# Altium PCB Analog_Daughter_6U_MAX11331.PcbDoc (part 2 of 6) (continued)
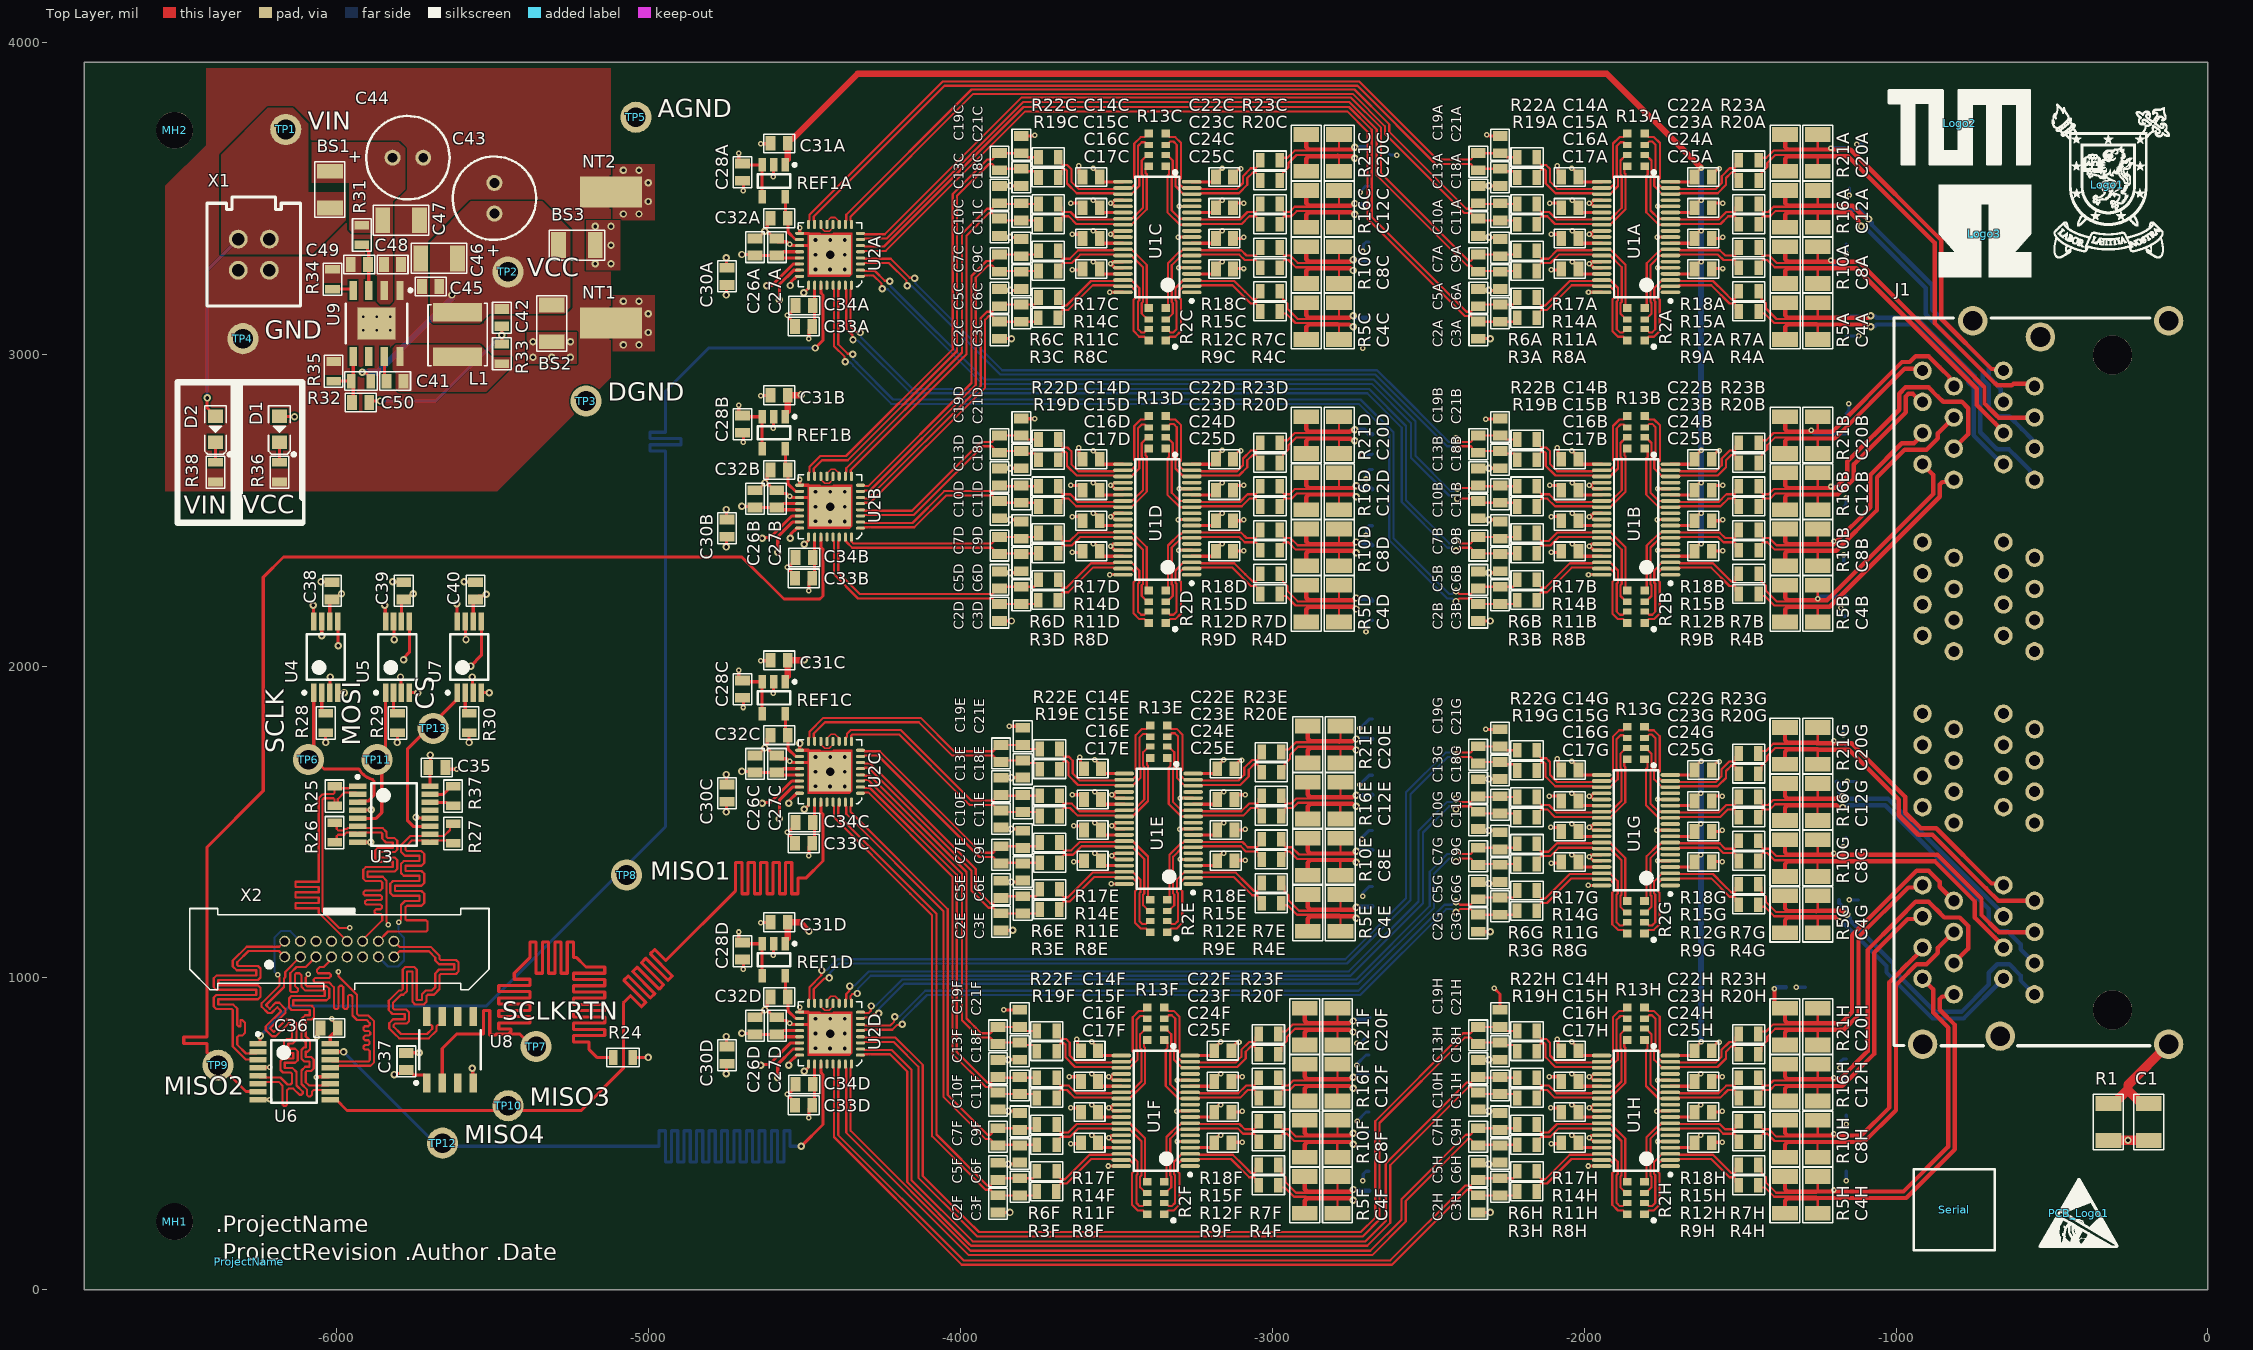
[diagram p0: Top Layer view]
## Part data (continued)
U6: library part ADN4665, "3V, LVDS, Quad, CMOS Differential Line Driver", MPN=ADN4665ARUZ, Supplier Part Number 1=ADN4665ARUZ-ND, Created=2020_05_Kreppel, MF="Analog Devices", Supplier 1=Digikey
U8: library part ADN4661, "Single, 3V, CMOS, LVDS High Speed differential driver", MPN=ADN4661BRZ, Supplier Part Number 1=ADN4661BRZ-ND, Created=2020_05_Kreppel, MF="Analog Devices", Supplier 1=Digikey
U9: library part LM5163, "100V Input, 0.5A Synchronous Buck DC/DC Converter with Ultra-low Iq", MPN=LM5163DDAR, Supplier Part Number 1=296-LM5163DDARCT-ND, Created=2020_05_Kreppel, MF="Texas Instruments", Supplier 1=Digikey
X1: library part IPL1-102-XX-X-D-X, "2.54mm Double Row Terminal Assembly, Right-Angled", Manufacturer=SAMTEC, Supplier Part Number 1=SAM10565-ND, Created=2018_05_02_AGeiger, MF=Samtec, MPN=IPL1-102-01-L-D-K, Supplier 1=Digikey
X2: library part EHF-108-01-F-D, "Dual Row, 2x8 Shrouded IDC Header with Ejectors 50 mil pitch", Supplier Part Number 1=SAM9265-ND, Created=2020_05_Kreppel, MF=Samtec, MPN=EHF-108-01-F-D, Supplier 1=Digikey
Serial: Created=2018_09_18_AGeiger

## Via types
v1: diameter 17.72, hole 7.87, Top Layer to Bottom Layer, tented both sides, 279 vias
v2: diameter 23.62, hole 11.81, Top Layer to Bottom Layer, tented both sides, 205 vias
v3: diameter 27.56, hole 11.81, Top Layer to Bottom Layer, tented bottom, 32 vias
v4: diameter 19.68, hole 7.87, Top Layer to Bottom Layer, tented both sides, 6 vias
v5: diameter 51.18, hole 27.56, Top Layer to Bottom Layer, tented both sides, 4 vias

## Nets (pads, with @x,y where several pads share a name; then routed paths per layer and width w, separated by ;. In a path a pad name is that pad's centre, name@x,y a point inside that pad or via, vN(x,y) a via of type N, cw(c..) or ccw(c..) an arc to the next point about the centre after c; other vN are vias at no path point)
ADC_IN1A_N: C18A.2 C19A.1 R19A.1 U2A.15 | length 2590.4
  Top Layer w7: U2A.15@-4468.08,3416.34 -4468.08,3426.95 -4470.92,3429.79 -4470.92,3441.6 -4051.52,3861 -2727.42,3861 -2476.86,3610.44 -2364.03,3610.44 -2359.93,3606.34 -2359.93,3602.13 -2347.68,3589.88 C19A.1@-2339.81,3589.88 -2334.77,3594.92 C18A.2@-2269.81,3594.92 -2262.06,3587.17 -2225.09,3587.17 -2214.81,3576.89 R19A.1@-2214.81,3567.05
ADC_IN1A_P: C19A.2 C21A.1 R22A.1 U2A.16 | length 2599.6
  Top Layer w7: U2A.16@-4487.76,3416.34 -4487.76,3426.95 -4484.92,3429.79 -4484.92,3447.4 -4057.32,3875 -2721.62,3875 -2471.07,3624.44 -2364.03,3624.44 -2359.93,3628.54 -2359.93,3632.75 -2347.68,3645 C19A.2@-2339.81,3645 -2339.38,3644.57 C21A.1@-2269.81,3644.57 -2261.94,3644.57 -2249.42,3632.05 R22A.1@-2214.81,3632.05
ADC_IN1B_N: C18B.2 C19B.1 R19B.1 U2A.3 | length 2397.7
  Top Layer w7: U2A.3@-4321.42,3289.37 -4310.81,3289.37 -4307.97,3292.21 -4229.76,3292.21 -4173.26,3235.71 -4173.26,3221.84 v2(-4171.42,3220) ; v2(-2411.42,2695.12) -2408.82,2695.12 -2399.01,2704.93 -2364.03,2704.93 -2359.93,2700.83 -2359.93,2696.62 -2347.68,2684.37 C19B.1@-2339.81,2684.37 -2334.77,2689.41 C18B.2@-2269.81,2689.41 -2262.06,2681.66 -2225.09,2681.66 -2214.81,2671.38 R19B.1@-2214.81,2661.54
  Bottom Layer w7: v2(-4171.42,3220) -4169.58,3218.16 -4155.71,3218.16 -3872.55,2935 -2670.42,2935 -2440.35,2704.93 -2423.83,2704.93 -2414.02,2695.12 v2(-2411.42,2695.12)
ADC_IN1B_P: C19B.2 C21B.1 R22B.1 U2A.4 | length 2383.7
  Top Layer w7: U2A.4@-4321.42,3309.06 -4310.81,3309.06 -4307.97,3306.21 -4223.96,3306.21 -4163.36,3245.61 -4149.49,3245.61 v2(-4147.65,3243.77) ; v2(-2411.42,2728.74) -2408.82,2728.74 -2399.01,2718.93 -2364.03,2718.93 -2359.93,2723.03 -2359.93,2727.24 -2347.68,2739.49 C19B.2@-2339.81,2739.49 -2339.38,2739.06 C21B.1@-2269.81,2739.06 -2261.94,2739.06 -2249.42,2726.54 R22B.1@-2214.81,2726.54
  Bottom Layer w7: v2(-4147.65,3243.77) -4145.81,3241.94 -4145.81,3228.06 -3866.75,2949 -2664.62,2949 -2631.47,2915.85 -2626.52,2910.9 -2434.55,2718.93 -2423.83,2718.93 -2414.02,2728.74 v2(-2411.42,2728.74)
ADC_IN1C_N: C18C.2 C19C.1 R19C.1 U2B.15 | length 1473.6
  Top Layer w7: U2B.15@-4468.08,2608.54 -4468.08,2619.16 -4470.92,2622 -4470.92,2633.81 -4444.73,2660 -4361.62,2660 -4011.42,3010.2 -4011.42,3507.92 -3908.9,3610.44 -3899.47,3610.44 -3895.36,3606.34 -3895.36,3602.13 -3883.12,3589.88 C19C.1@-3875.24,3589.88 -3870.2,3594.92 C18C.2@-3805.24,3594.92 -3797.49,3587.17 -3760.52,3587.17 -3750.24,3576.89 R19C.1@-3750.24,3567.05
ADC_IN1C_P: C19C.2 C21C.1 R22C.1 U2B.16 | length 1482.8
  Top Layer w7: U2B.16@-4487.76,2608.54 -4487.76,2619.16 -4484.92,2622 -4484.92,2639.61 -4450.53,2674 -4367.42,2674 -4025.42,3016 -4025.42,3513.72 -3914.7,3624.44 -3899.47,3624.44 -3895.36,3628.54 -3895.36,3632.75 -3883.12,3645 C19C.2@-3875.24,3645 -3874.81,3644.57 C21C.1@-3805.24,3644.57 -3797.37,3644.57 -3784.85,3632.05 R22C.1@-3750.24,3632.05
ADC_IN1D_N: C18D.2 C19D.1 R19D.1 U2B.3 | length 688.2
  Top Layer w7: U2B.3@-4321.42,2481.57 -4310.81,2481.57 -4307.97,2484.42 -4150.11,2484.42 -3929.6,2704.93 -3899.47,2704.93 -3895.36,2700.83 -3895.36,2696.62 -3892.26,2693.51 C19D.1@-3866.1,2693.51 ; C19D.1@-3866.1,2689.41 C18D.2@-3805.24,2689.41 -3797.49,2681.66 -3760.52,2681.66 -3750.24,2671.38 R19D.1@-3750.24,2661.54
ADC_IN1D_P: C19D.2 C21D.1 R22D.1 U2B.4 | length 680
  Top Layer w7: U2B.4@-4321.42,2501.26 -4310.81,2501.26 -4307.97,2498.42 -4155.91,2498.42 -3935.39,2718.93 -3899.47,2718.93 -3895.36,2723.03 -3895.36,2727.24 -3883.12,2739.49 C19D.2@-3875.24,2739.49 -3874.81,2739.06 C21D.1@-3805.24,2739.06 -3797.37,2739.06 -3784.85,2726.54 R22D.1@-3750.24,2726.54
ADC_IN1E_N: C18E.2 C19E.1 R19E.1 U2C.15 | length 841.3
  Top Layer w7: U2C.15@-4468.08,1758.54 -4468.08,1769.15 -4470.92,1772 -4470.92,1783.81 -4434.73,1820 -4134.06,1820 -4026.92,1712.86 -3895.04,1712.86 -3890.93,1708.76 -3890.93,1704.55 -3878.69,1692.3 C19E.1@-3870.81,1692.3 -3865.77,1697.34 C18E.2@-3800.81,1697.34 -3793.06,1689.59 -3756.09,1689.59 -3745.81,1679.31 R19E.1@-3745.81,1669.47
ADC_IN1E_P: C19E.2 C21E.1 R22E.1 U2C.16 | length 850.5
  Top Layer w7: U2C.16@-4487.76,1758.54 -4487.76,1769.15 -4484.92,1772 -4484.92,1789.61 -4440.53,1834 -4128.26,1834 -4021.12,1726.86 -3895.04,1726.86 -3890.93,1730.96 -3890.93,1735.17 -3878.69,1747.42 C19E.2@-3870.81,1747.42 -3870.38,1746.99 C21E.1@-3800.81,1746.99 -3792.94,1746.99 -3780.42,1734.47 R22E.1@-3745.81,1734.47
ADC_IN1F_N: C18F.2 C19F.1 R19F.1 U2C.3 | length 1215
  Top Layer w7: U2C.3@-4321.42,1631.57 -4310.81,1631.57 -4307.97,1634.42 -4296.16,1634.42 -3995.32,1333.58 -3995.32,863.9 -3939.82,808.39 -3904.5,808.39 -3900.4,804.29 -3900.4,800.08 -3888.16,787.83 C19F.1@-3880.28,787.84 -3875.24,792.87 C18F.2@-3810.28,792.87 -3802.53,785.12 -3765.56,785.12 -3755.28,774.84 R19F.1@-3755.28,765
ADC_IN1F_P: C19F.2 C21F.1 R22F.1 U2C.4 | length 1200.9
  Top Layer w7: U2C.4@-4321.42,1651.26 -4310.81,1651.26 -4307.97,1648.42 -4290.36,1648.42 -3981.33,1339.38 -3981.33,869.7 -3956.52,844.9 -3951.57,839.95 -3934.02,822.39 -3904.5,822.39 -3900.4,826.49 -3900.4,830.7 -3888.16,842.95 C19F.2@-3880.28,842.95 -3879.85,842.52 C21F.1@-3810.28,842.52 -3802.41,842.52 -3789.89,830 R22F.1@-3755.28,830
ADC_IN1G_N: C18G.2 C19G.1 R19G.1 U2D.15 | length 2856.6
  Top Layer w7: U2D.15@-4468.08,918.54 -4468.08,929.15 -4470.92,932 -4470.92,964.38 -4437.14,998.16 -4423.26,998.16 v2(-4421.42,1000) ; v2(-2416.42,1698.58) -2413.82,1698.58 -2404.01,1708.39 -2364.5,1708.39 -2360.4,1704.29 -2360.4,1700.08 -2348.16,1687.83 C19G.1@-2340.28,1687.84 -2335.24,1692.87 C18G.2@-2270.28,1692.87 -2262.53,1685.12 -2225.56,1685.12 -2215.28,1674.84 R19G.1@-2215.28,1665
  Bottom Layer w7: v2(-4421.42,1000) -4419.58,1001.84 -4419.58,1015.71 -4389.3,1046 -2760.62,1046 -2557.42,1249.2 -2557.42,1589.14 -2438.16,1708.39 -2428.83,1708.39 -2419.02,1698.58 v2(-2416.42,1698.58)
ADC_IN1G_P: C19G.2 C21G.1 R22G.1 U2D.16 | length 2865.8
  Top Layer w7: U2D.16@-4487.76,918.54 -4487.76,929.15 -4484.92,932 -4484.92,970.18 -4447.04,1008.06 -4447.04,1021.94 v2(-4445.2,1023.77) ; v2(-2416.42,1732.2) -2413.82,1732.2 -2404.01,1722.39 -2364.5,1722.39 -2360.4,1726.49 -2360.4,1730.7 -2348.16,1742.95 C19G.2@-2340.28,1742.95 -2339.85,1742.52 C21G.1@-2270.28,1742.52 -2262.41,1742.52 -2249.89,1730 R22G.1@-2215.28,1730
  Bottom Layer w7: v2(-4445.2,1023.77) -4443.36,1025.61 -4429.48,1025.61 -4395.1,1060 -2766.42,1060 -2571.42,1255 -2571.42,1594.93 -2443.96,1722.39 -2428.83,1722.39 -2419.02,1732.2 v2(-2416.42,1732.2)
ADC_IN1H_N: C18H.2 C19H.1 R19H.1 U2D.3 | length 3050.1
  Top Layer w7: U2D.3@-4321.42,791.57 -4310.81,791.57 -4307.97,794.42 -4214.52,794.42 -4207.4,787.29 -4135.42,715.32 -4135.42,359.2 -3981.32,205.1 -3947.12,170.9 -2710.72,170.9 -2656.42,225.2 -2656.42,535 -2383.03,808.39 -2364.5,808.39 -2360.4,804.29 -2360.4,800.08 -2348.16,787.83 C19H.1@-2340.28,787.84 -2335.24,792.87 C18H.2@-2270.28,792.87 -2262.53,785.12 -2225.56,785.12 -2215.28,774.84 R19H.1@-2215.28,765
ADC_IN1H_P: C19H.2 C21H.1 R22H.1 U2D.4 | length 3036.1
  Top Layer w7: U2D.4@-4321.42,811.26 -4310.81,811.26 -4307.97,808.42 -4208.72,808.42 -4121.42,721.12 -4121.42,365 -3981.32,224.9 -3941.32,184.9 -2716.52,184.9 -2670.42,231 -2670.42,540.8 -2388.83,822.39 -2364.5,822.39 -2360.4,826.49 -2360.4,830.7 -2348.16,842.95 C19H.2@-2340.28,842.95 -2339.85,842.52 C21H.1@-2270.28,842.52 -2262.41,842.52 -2249.89,830 R22H.1@-2215.28,830
ADC_IN2A_N: C10A.2 C11A.1 R14A.1 U2A.9 | length 2516.3
  Top Layer w7: U2A.9@-4349.97,3416.34 -4349.97,3426.95 -4352.81,3429.79 -4352.81,3441.6 -3959.41,3835 -2742.88,3835 -2639.42,3731.54 -2639.42,3708 -2383.97,3452.55 -2364.03,3452.55 -2359.93,3448.45 -2359.93,3447.17 -2347.68,3434.92 C10A.2@-2339.81,3434.92 -2334.34,3429.45 C11A.1@-2269.81,3429.45 -2225.09,3429.45 -2214.81,3419.17 R14A.1@-2214.81,3417.05
ADC_IN2A_P: C11A.2 C13A.1 R17A.1 U2A.10 | length 2531.7
  Top Layer w7: U2A.10@-4369.65,3416.34 -4369.65,3426.95 -4366.81,3429.79 -4366.81,3447.4 -3965.21,3849 -2737.09,3849 -2625.42,3737.34 -2625.42,3713.8 -2378.17,3466.55 -2364.03,3466.55 -2359.93,3470.65 -2359.93,3471.92 -2347.68,3484.17 C13A.1@-2339.81,3484.17 -2337.68,3482.05 -2269.81,3482.05 R17A.1@-2214.81,3482.05
ADC_IN2B_N: C10B.2 C11B.1 R14B.1 U2A.1 | length 2485.5
  Top Layer w7: U2A.1@-4321.42,3250 -4310.81,3250 -4307.97,3252.84 -4280.39,3252.84 -4253.26,3225.71 -4253.26,3211.84 v2(-4251.42,3210) ; v2(-2406.42,2537.22) -2347.62,2537.22 C10B.2@-2339.81,2529.41 -2334.34,2523.94 C11B.1@-2269.81,2523.94 -2225.09,2523.94 -2214.81,2513.66 R14B.1@-2214.81,2511.54
  Bottom Layer w7: v2@-4245.55,3215.88 -4238.13,3208.46 -4234,3208.46 -3930.53,2905 -2681.42,2905 -2555.42,2779 -2555.42,2668.49 -2433.96,2547.04 -2418.83,2547.04 -2409.02,2537.22 v2(-2406.42,2537.22)
ADC_IN2B_P: C11B.2 C13B.1 R17B.1 U2A.2 | length 2480
  Top Layer w7: U2A.2@-4321.42,3269.68 -4310.81,3269.68 -4307.97,3266.84 -4274.59,3266.84 -4243.36,3235.61 -4229.49,3235.61 v2(-4227.65,3233.77) ; v2(-2406.42,2570.85) -2347.62,2570.85 C13B.1@-2339.81,2578.66 -2337.68,2576.54 R17B.1@-2214.81,2576.54
  Bottom Layer w7: v2(-4227.65,3233.77) -4224.8,3230.93 -4224.8,3219.07 -3924.73,2919 -2675.62,2919 -2541.42,2784.8 -2541.42,2674.29 -2428.16,2561.04 -2418.83,2561.04 -2409.02,2570.85 v2(-2406.42,2570.85)
ADC_IN2C_N: C10C.2 C11C.1 R14C.1 U2B.9 | length 1204.5
  Top Layer w7: U2B.9@-4349.97,2608.54 -4349.97,2619.16 -4352.6,2621.79 -4352.6,2628.83 -3981.42,3000 -3981.42,3380.49 -3909.36,3452.55 -3899.47,3452.55 -3895.36,3448.45 -3895.36,3447.17 -3883.12,3434.92 C10C.2@-3875.24,3434.92 -3869.77,3429.45 C11C.1@-3805.24,3429.45 -3760.52,3429.45 -3750.24,3419.17 R14C.1@-3750.24,3417.05
ADC_IN2C_P: C11C.2 C13C.1 R17C.1 U2B.10 | length 1220.1
  Top Layer w7: U2B.10@-4369.65,2608.54 -4369.65,2619.16 -4366.6,2622.21 -4366.6,2634.62 -3995.42,3005.8 -3995.42,3386.29 -3915.16,3466.55 -3899.47,3466.55 -3895.36,3470.65 -3895.36,3471.92 -3883.12,3484.17 C13C.1@-3875.24,3484.17 -3873.12,3482.05 -3805.24,3482.05 R17C.1@-3750.24,3482.05
ADC_IN2D_N: C10D.2 C11D.1 R14D.1 U2B.1 | length 631.3
  Top Layer w7: U2B.1@-4321.42,2442.2 -4310.81,2442.2 -4307.97,2445.05 -4148.45,2445.05 -4046.46,2547.04 -3899.47,2547.04 -3895.36,2542.93 -3895.36,2541.66 -3879.02,2525.31 -3871.14,2525.31 -3869.77,2523.94 C11D.1@-3805.24,2523.94 -3760.52,2523.94 -3750.24,2513.66 R14D.1@-3750.24,2511.54
ADC_IN2D_P: C11D.2 C13D.1 R17D.1 U2B.2 | length 623.5
  Top Layer w7: U2B.2@-4321.42,2461.89 -4310.81,2461.89 -4307.97,2459.05 -4154.25,2459.05 -4052.26,2561.04 -3899.47,2561.04 -3895.36,2565.14 -3895.36,2566.41 -3883.12,2578.66 C13D.1@-3875.24,2578.66 -3873.12,2576.54 R17D.1@-3750.24,2576.54
ADC_IN2E_N: C10E.2 C11E.1 R14E.1 U2C.9 | length 729.7
  Top Layer w7: U2C.9@-4349.97,1758.54 -4350.51,1759.09 -4350.51,1770.94 -4350.67,1771.1 -4350.67,1776.9 -4346.57,1781 -4197.42,1781 -3991.42,1575 -3981.52,1565.1 -3971.39,1554.97 -3895.04,1554.97 -3890.93,1550.87 -3890.93,1549.59 -3882.79,1541.44 C10E.2@-3874.91,1541.44 ; C10E.2@-3870.81,1537.34 -3865.34,1531.87 C11E.1@-3800.81,1531.87 -3756.09,1531.87 -3745.81,1521.59 R14E.1@-3745.81,1519.47
ADC_IN2E_P: C11E.2 C13E.1 R17E.1 U2C.10 | length 752.7
  Top Layer w7: U2C.10@-4369.65,1758.54 -4369.65,1769.15 -4364.67,1774.14 -4364.67,1782.7 -4352.37,1795 -4191.62,1795 -3965.59,1568.97 -3895.04,1568.97 -3890.93,1573.07 -3890.93,1574.35 -3878.69,1586.59 C13E.1@-3870.81,1586.59 -3868.69,1584.47 R17E.1@-3745.81,1584.47
ADC_IN2F_N: C10F.2 C11F.1 R14F.1 U2C.1 | length 1308.3
  Top Layer w7: U2C.1@-4321.42,1592.2 -4310.81,1592.2 -4307.97,1595.05 -4296.16,1595.05 -4026.42,1325.31 -4026.42,756.72 -3920.2,650.5 -3904.5,650.5 -3900.4,646.4 -3900.4,645.12 -3888.16,632.87 C10F.2@-3880.28,632.87 -3874.81,627.4 C11F.1@-3810.28,627.4 -3765.56,627.4 -3755.28,617.12 R14F.1@-3755.28,615
ADC_IN2F_P: C11F.2 C13F.1 R17F.1 U2C.2 | length 1300.6
  Top Layer w7: U2C.2@-4321.42,1611.89 -4310.81,1611.89 -4307.97,1609.05 -4290.36,1609.05 -4012.42,1331.11 -4012.42,762.52 -3914.4,664.5 -3904.5,664.5 -3900.4,668.6 -3900.4,669.88 -3888.16,682.13 C13F.1@-3880.28,682.13 -3878.16,680 R17F.1@-3755.28,680
ADC_IN2G_N: C10G.2 C11G.1 R14G.1 U2D.9 | length 2580.4
  Top Layer w7: U2D.9@-4349.97,918.54 -4349.97,929.15 -4352.81,932 -4352.81,942.49 -4347.14,948.16 -4333.26,948.16 v2(-4331.42,950) ; v2(-2411.42,1540.69) -2408.82,1540.69 -2399.01,1550.5 -2364.5,1550.5 -2360.4,1546.4 -2360.4,1545.12 -2348.16,1532.87 C10G.2@-2340.28,1532.87 -2334.81,1527.4 C11G.1@-2270.28,1527.4 -2225.56,1527.4 -2215.28,1517.12 R14G.1@-2215.28,1515
  Bottom Layer w7: v2(-4331.42,950) -4329.58,951.84 -4329.58,965.71 -4288.3,1007 -2749.62,1007 -2517.42,1239.2 -2517.42,1466.24 -2433.16,1550.5 -2423.83,1550.5 -2414.02,1540.69 v2(-2411.42,1540.69)
ADC_IN2G_P: C11G.2 C13G.1 R17G.1 U2D.10 | length 2595.9
  Top Layer w7: U2D.10@-4369.65,918.54 -4369.65,929.15 -4366.81,932 -4366.81,948.29 -4357.04,958.06 -4357.04,971.94 v2(-4355.2,973.77) ; v2(-2411.42,1574.31) -2408.82,1574.31 -2399.01,1564.5 -2364.5,1564.5 -2360.4,1568.6 -2360.4,1569.88 -2348.16,1582.13 C13G.1@-2340.28,1582.13 -2338.16,1580 R17G.1@-2215.28,1580
  Bottom Layer w7: v2(-4355.2,973.77) -4353.36,975.61 -4339.48,975.61 -4294.1,1021 -2755.42,1021 -2531.42,1245 -2531.42,1472.04 -2438.96,1564.5 -2423.83,1564.5 -2414.02,1574.31 v2(-2411.42,1574.31)
ADC_IN2H_N: C10H.2 C11H.1 R14H.1 U2D.1 | length 2905.4
  Top Layer w7: U2D.1@-4321.42,752.2 -4310.81,752.2 -4307.97,755.05 -4226.42,755.05 -4171.42,700.05 -4171.42,345.2 -3971.32,145.1 -3967.22,141 -2695.83,141 -2622.42,214.4 -2622.42,399 -2370.92,650.5 -2364.5,650.5 -2360.4,646.4 -2360.4,645.12 -2348.16,632.87 C10H.2@-2340.28,632.87 -2334.81,627.4 C11H.1@-2270.28,627.4 -2225.56,627.4 -2215.28,617.12 R14H.1@-2215.28,615
ADC_IN2H_P: C11H.2 C13H.1 R17H.1 U2D.2 | length 2897.6
  Top Layer w7: U2D.2@-4321.42,771.89 -4310.81,771.89 -4307.97,769.05 -4220.62,769.05 -4157.42,705.85 -4157.42,351 -3961.42,155 -2701.62,155 -2636.42,220.2 -2636.42,404.8 -2376.72,664.5 -2364.5,664.5 -2360.4,668.6 -2360.4,669.88 -2348.16,682.13 C13H.1@-2340.28,682.13 -2338.16,680 -2270.28,680 R17H.1@-2215.28,680
ADC_IN3A_N: C6A.2 C7A.1 R8A.1 U2A.7 | length 2604.2
  Top Layer w7: U2A.7@-4321.42,3368.11 -4310.81,3368.11 -4307.97,3370.95 -4237.45,3370.95 -3799.4,3809 -2753.65,3809 -2665.42,3720.77 -2665.42,3574.09 -2376.46,3285.13 -2364.03,3285.13 -2359.93,3281.03 -2359.93,3276.82 -2347.68,3264.57 C7A.1@-2339.81,3264.57 -2337.33,3267.05 -2269.81,3267.05 R8A.1@-2214.81,3267.05
ADC_IN3A_P: C7A.2 C9A.1 R11A.1 U2A.8 | length 2609.5
  Top Layer w7: U2A.8@-4321.42,3387.8 -4310.81,3387.8 -4307.97,3384.95 -4243.25,3384.95 -3805.2,3823 -2747.85,3823 -2651.42,3726.57 -2651.42,3579.89 -2370.66,3299.13 -2364.03,3299.13 -2359.93,3303.23 -2359.93,3307.44 -2347.68,3319.69 -2269.81,3319.69 -2225.09,3319.69 -2214.81,3329.96 R11A.1@-2214.81,3332.05
ADC_IN3B_N: C6B.2 C7B.1 R8B.1 U2A.31 | length 2751.5
  Top Layer w7: U2A.31@-4369.65,3221.46 -4369.65,3210.84 -4366.81,3208 -4366.81,3081.71 -4347.04,3061.94 -4347.04,3048.06 v2(-4345.2,3046.23) ; v2(-2411.42,2369.8) -2408.82,2369.8 -2399.01,2379.61 -2364.03,2379.61 -2359.93,2375.51 -2359.93,2371.3 -2347.68,2359.06 C7B.1@-2339.81,2359.06 -2337.33,2361.54 R8B.1@-2214.81,2361.54
  Bottom Layer w7: v2(-4345.2,3046.23) -4343.36,3044.39 -4329.48,3044.39 -4160.1,2875 -2696.22,2875 -2585.42,2764.2 -2585.42,2526.07 -2438.96,2379.61 -2423.83,2379.61 -2414.02,2369.8 v2(-2411.42,2369.8)
ADC_IN3B_P: C7B.2 C9B.1 R11B.1 U2A.32 | length 2733.6
  Top Layer w7: U2A.32@-4349.97,3221.46 -4349.97,3210.84 -4352.81,3208 -4352.81,3087.51 -4337.14,3071.84 -4323.26,3071.84 v2(-4321.42,3070) ; v2(-2411.42,2403.43) -2408.82,2403.43 -2399.01,2393.61 -2364.03,2393.61 -2359.93,2397.71 -2359.93,2401.93 -2347.68,2414.17 C7B.2@-2339.81,2414.17 -2225.09,2414.17 -2214.81,2424.45 R11B.1@-2214.81,2426.54
  Bottom Layer w7: v2(-4321.42,3070) -4319.58,3068.16 -4319.58,3054.29 -4154.3,2889 -2690.42,2889 -2571.42,2770 -2571.42,2531.87 -2433.16,2393.61 -2423.83,2393.61 -2414.02,2403.43 v2(-2411.42,2403.43)
ADC_IN3C_N: C6C.2 C7C.1 R8C.1 U2B.7 | length 1084.4
  Top Layer w7: U2B.7@-4321.42,2560.31 -4310.81,2560.31 -4307.97,2563.16 -4290.36,2563.16 -3951.42,2902.09 -3951.42,3245.13 -3911.42,3285.13 -3899.47,3285.13 -3895.36,3281.03 -3895.36,3276.82 -3883.12,3264.57 C7C.1@-3875.24,3264.57 -3872.76,3267.05 R8C.1@-3750.24,3267.05
ADC_IN3C_P: C7C.2 C9C.1 R11C.1 U2B.8 | length 1089.7
  Top Layer w7: U2B.8@-4321.42,2580 -4310.81,2580 -4307.97,2577.16 -4296.16,2577.16 -3965.42,2907.89 -3965.42,3250.93 -3917.22,3299.13 -3899.47,3299.13 -3895.36,3303.23 -3895.36,3307.44 -3883.12,3319.69 C7C.2@-3875.24,3319.69 -3760.52,3319.69 -3750.24,3329.96 R11C.1@-3750.24,3332.05
ADC_IN3D_N: C6D.2 C7D.1 R8D.1 U2B.31 | length 650.4
  Top Layer w7: U2B.31@-4369.65,2413.66 -4369.65,2403.05 -4365.88,2399.27 -4365.88,2398.08 -4347.41,2379.61 -3899.47,2379.61 -3895.36,2375.51 -3895.36,2371.3 -3885.6,2361.54 -3805.24,2361.54 R8D.1@-3750.24,2361.54
ADC_IN3D_P: C7D.2 C9D.1 R11D.1 U2B.32 | length 633.9
  Top Layer w7: U2B.32@-4349.97,2413.66 -4349.42,2413.12 -4349.42,2398.59 -4344.44,2393.61 -3899.47,2393.61 -3895.36,2397.71 -3895.36,2401.93 -3883.12,2414.17 C7D.2@-3875.24,2414.17 -3805.24,2414.17 -3760.52,2414.17 -3750.24,2424.45 R11D.1@-3750.24,2426.54
ADC_IN3E_N: C6E.2 C7E.1 R8E.1 U2C.7 | length 721.6
  Top Layer w7: U2C.7@-4321.42,1710.31 -4310.81,1710.31 -4307.97,1713.16 -4265.07,1713.16 -3939.46,1387.55 -3895.04,1387.55 -3890.93,1383.45 -3890.93,1379.24 -3881.17,1369.47 R8E.1@-3745.81,1369.47
ADC_IN3E_P: C7E.2 C9E.1 R11E.1 U2C.8 | length 729
  Top Layer w7: U2C.8@-4321.42,1730 -4310.81,1730 -4307.97,1727.16 -4259.27,1727.16 -3933.66,1401.55 -3895.04,1401.55 -3890.93,1405.65 -3890.93,1409.86 -3878.69,1422.11 C7E.2@-3870.81,1422.11 -3756.09,1422.11 -3745.81,1432.39 R11E.1@-3745.81,1434.47
ADC_IN3F_N: C6F.2 C7F.1 R8F.1 U2C.31 | length 1441.4
  Top Layer w7: U2C.31@-4369.65,1563.66 -4369.65,1553.05 -4366.81,1550.21 -4366.81,1526.22 -4055.42,1214.84 -4055.42,618.76 -3919.74,483.08 -3904.5,483.08 -3900.4,478.98 -3900.4,474.77 -3890.64,465 R8F.1@-3755.28,465
ADC_IN3F_P: C7F.2 C9F.1 R11F.1 U2C.32 | length 1425.5
  Top Layer w7: U2C.32@-4349.97,1563.66 -4349.97,1553.05 -4352.81,1550.21 -4352.81,1532.02 -4041.42,1220.64 -4041.42,624.56 -3913.94,497.08 -3904.5,497.08 -3900.4,501.18 -3900.4,505.39 -3888.16,517.64 C7F.2@-3880.28,517.64 -3765.56,517.64 -3755.28,527.92 R11F.1@-3755.28,530
ADC_IN3G_N: C6G.2 C7G.1 R8G.1 U2D.7 | length 2411
  Top Layer w7: U2D.7@-4321.42,870.31 -4310.81,870.31 -4307.97,873.16 -4289.59,873.16 -4278.36,884.39 -4264.49,884.39 v2(-4262.65,886.23) ; v2(-2411.42,1373.27) -2408.82,1373.27 -2399.01,1383.08 -2364.5,1383.08 -2360.4,1378.98 -2360.4,1374.77 -2348.16,1362.52 C7G.1@-2340.28,1362.52 -2337.8,1365 R8G.1@-2215.28,1365
  Bottom Layer w7: v2(-4262.65,886.23) -4260.81,888.06 -4260.81,901.94 -4181.75,981 -2725.62,981 -2481.42,1225.2 -2481.42,1334.82 -2433.16,1383.08 -2423.83,1383.08 -2414.02,1373.27 v2(-2411.42,1373.27)
ADC_IN3G_P: C7G.2 C9G.1 R11G.1 U2D.8 | length 2416.3
  Top Layer w7: U2D.8@-4321.42,890 -4310.81,890 -4307.97,887.16 -4295.39,887.16 -4288.26,894.29 -4288.26,908.16 v2(-4286.42,910) ; v2(-2411.42,1406.89) -2408.82,1406.89 -2399.01,1397.08 -2364.5,1397.08 -2360.4,1401.18 -2360.4,1405.39 -2348.16,1417.64 C7G.2@-2340.28,1417.64 -2225.56,1417.64 -2215.28,1427.92 R11G.1@-2215.28,1430
  Bottom Layer w7: v2(-4286.42,910) -4284.58,911.84 -4270.71,911.84 -4187.55,995 -2731.42,995 -2495.42,1231 -2495.42,1340.62 -2438.96,1397.08 -2423.83,1397.08 -2414.02,1406.89 v2(-2411.42,1406.89)
ADC_IN3H_N: C6H.2 C7H.1 R8H.1 U2D.31 | length 2739.8
  Top Layer w7: U2D.31@-4369.65,723.66 -4369.65,713.05 -4366.81,710.21 -4366.81,503.82 -3973.99,111 -2680.42,111 -2572.42,219 -2572.42,284.6 -2373.94,483.08 -2364.5,483.08 -2360.4,478.98 -2360.4,474.77 -2348.16,462.52 C7H.1@-2340.28,462.52 -2337.8,465 -2270.28,465 R8H.1@-2215.28,465
ADC_IN3H_P: C7H.2 C9H.1 R11H.1 U2D.32 | length 2721.9
  Top Layer w7: U2D.32@-4349.97,723.66 -4349.97,713.05 -4352.81,710.21 -4352.81,509.62 -3968.19,125 -2686.22,125 -2586.42,224.8 -2586.42,290.4 -2379.74,497.08 -2364.5,497.08 -2360.4,501.18 -2360.4,505.39 -2348.16,517.64 C7H.2@-2340.28,517.64 -2270.28,517.64 -2225.56,517.64 -2215.28,527.92 R11H.1@-2215.28,530
ADC_IN4A_N: C2A.2 C3A.1 R3A.1 U2A.5 | length 2743.2
  Top Layer w7: U2A.5@-4321.42,3328.74 -4310.81,3328.74 -4307.97,3331.58 -4240.05,3331.58 -3792.63,3779 -2760.42,3779 -2695.42,3714 -2695.42,3434.2 -2383.77,3122.55 -2364.03,3122.55 -2359.93,3118.45 -2359.93,3117.17 -2347.68,3104.92 C2A.2@-2339.81,3104.92 -2339.46,3104.57 C3A.1@-2269.81,3104.57 -2225.51,3104.57 -2215.23,3114.85 R3A.1@-2215.23,3117.05
ADC_IN4A_P: C3A.2 C5A.1 R6A.1 U2A.6 | length 2754.3
  Top Layer w7: U2A.6@-4321.42,3348.43 -4310.81,3348.43 -4307.97,3345.58 -4245.85,3345.58 -3798.43,3793 -2754.62,3793 -2681.42,3719.8 -2681.42,3440 -2377.97,3136.55 -2364.03,3136.55 -2359.93,3140.65 -2359.93,3141.92 -2347.68,3154.17 C5A.1@-2339.81,3154.17 -2334.3,3159.69 C3A.2@-2269.81,3159.69 -2227.33,3159.69 -2214.81,3172.2 R6A.1@-2214.81,3182.05
ADC_IN4B_N: C2B.2 C3B.1 R3B.1 U2A.29 | length 2953.3
  Top Layer w7: U2A.29@-4409.02,3221.46 -4409.02,3210.84 -4406.18,3208 -4406.18,3026.08 -4372.04,2991.94 -4372.04,2978.06 v2(-4370.2,2976.23) ; v2(-2411.42,2207.22) -2411.23,2207.22 -2401.42,2217.04 -2364.03,2217.04 -2359.93,2212.93 -2359.93,2211.66 -2347.68,2199.41 C2B.2@-2339.81,2199.41 -2339.46,2199.06 C3B.1@-2269.81,2199.06 -2225.51,2199.06 -2215.23,2209.33 R3B.1@-2215.23,2211.54
  Bottom Layer w7: v2(-4370.2,2976.23) -4368.36,2974.39 -4354.48,2974.39 -4344.75,2964.66 -4344.75,2963.33 -4222.42,2841 -2723.22,2841 -2625.42,2743.2 -2625.42,2403.49 -2438.96,2217.04 -2423.83,2217.04 -2414.02,2207.22 v2(-2411.42,2207.22)
ADC_IN4B_P: C3B.2 C5B.1 R6B.1 U2A.30 | length 2941.2
  Top Layer w7: U2A.30@-4389.34,3221.46 -4389.34,3210.84 -4392.18,3208 -4392.18,3031.88 -4362.14,3001.84 -4348.26,3001.84 v2(-4346.42,3000) ; v2(-2411.42,2240.85) -2411.23,2240.85 -2401.42,2231.04 -2364.03,2231.04 -2359.93,2235.14 -2359.93,2236.41 -2347.68,2248.66 C5B.1@-2339.81,2248.66 -2334.3,2254.17 C3B.2@-2269.81,2254.17 -2227.33,2254.17 -2214.81,2266.69 R6B.1@-2214.81,2276.54
  Bottom Layer w7: v2(-4346.42,3000) -4344.58,2998.16 -4344.58,2984.29 -4330.75,2970.46 -4330.75,2969.13 -4216.62,2855 -2717.42,2855 -2611.42,2749 -2611.42,2409.29 -2433.16,2231.04 -2423.83,2231.04 -2414.02,2240.85 v2(-2411.42,2240.85)
ADC_IN4C_N: C2C.2 C3C.1 R3C.1 U2B.5 | length 962.2
  Top Layer w7: U2B.5@-4321.42,2520.94 -4310.81,2520.94 -4307.97,2523.79 -4290.36,2523.79 -3921.42,2892.72 -3921.42,3110.49 -3909.36,3122.55 -3899.46,3122.55 -3895.36,3118.45 -3895.36,3117.17 -3883.12,3104.92 C2C.2@-3875.24,3104.92 -3874.89,3104.57 C3C.1@-3805.24,3104.57 -3760.94,3104.57 -3750.66,3114.85 R3C.1@-3750.66,3117.05
ADC_IN4C_P: C3C.2 C5C.1 R6C.1 U2B.6 | length 973.3
  Top Layer w7: U2B.6@-4321.42,2540.63 -4310.81,2540.63 -4307.97,2537.79 -4296.16,2537.79 -3935.42,2898.52 -3935.42,3116.29 -3915.16,3136.55 -3899.46,3136.55 -3895.36,3140.65 -3895.36,3141.92 -3883.12,3154.17 C5C.1@-3875.24,3154.17 -3869.73,3159.69 C3C.2@-3805.24,3159.69 -3762.76,3159.69 -3750.24,3172.2 R6C.1@-3750.24,3182.05
ADC_IN4D_N: C2D.2 C3D.1 R3D.1 U2B.29 | length 822.8
  Top Layer w7: U2B.29@-4409.02,2413.66 -4409.02,2403.05 -4406.18,2400.21 -4406.18,2294.2 -4329.01,2217.04 -3899.46,2217.04 -3895.36,2212.93 -3895.36,2211.66 -3883.12,2199.41 C2D.2@-3875.24,2199.41 -3874.89,2199.06 C3D.1@-3805.24,2199.06 -3760.94,2199.06 -3750.66,2209.33 R3D.1@-3750.66,2211.54
ADC_IN4D_P: C3D.2 C5D.1 R6D.1 U2B.30 | length 810.7
  Top Layer w7: U2B.30@-4389.34,2413.66 -4389.34,2403.05 -4392.18,2400.21 -4392.18,2300 -4323.21,2231.04 -3899.46,2231.04 -3895.36,2235.14 -3895.36,2236.41 -3883.12,2248.66 C5D.1@-3875.24,2248.66 -3869.73,2254.17 C3D.2@-3805.24,2254.17 -3762.76,2254.17 -3750.24,2266.69 R6D.1@-3750.24,2276.54
ADC_IN4E_N: C2E.2 C3E.1 R3E.1 U2C.5 | length 808.7
  Top Layer w7: U2C.5@-4321.42,1670.94 -4310.81,1670.94 -4307.97,1673.79 -4295.44,1673.79 -3965.42,1343.77 -3965.42,1279.66 -3910.73,1224.97 -3895.03,1224.97 -3890.93,1220.87 -3890.93,1219.59 -3882.79,1211.44 C2E.2@-3874.91,1211.44 ; C2E.2@-3870.81,1207.34 -3870.46,1206.99 C3E.1@-3800.81,1206.99 -3756.51,1206.99 -3746.23,1217.27 R3E.1@-3746.23,1219.47
ADC_IN4E_P: C3E.2 C5E.1 R6E.1 U2C.6 | length 825.6
  Top Layer w7: U2C.6@-4321.42,1690.63 -4310.81,1690.63 -4307.97,1687.79 -4289.64,1687.79 -3951.42,1349.57 -3951.42,1285.46 -3904.93,1238.97 -3895.03,1238.97 -3890.93,1243.07 -3890.93,1244.35 -3878.69,1256.59 C5E.1@-3870.81,1256.59 -3865.3,1262.11 C3E.2@-3800.81,1262.11 -3758.33,1262.11 -3745.81,1274.63 R6E.1@-3745.81,1284.47
ADC_IN4F_N: C2F.2 C3F.1 R3F.1 U2C.29 | length 1624.8
  Top Layer w7: U2C.29@-4409.02,1563.66 -4409.02,1553.05 -4406.18,1550.21 -4406.18,1514.96 -4161.32,1270.1 -4091.42,1200.2 -4091.42,491.72 -3920.2,320.5 -3904.5,320.5 -3900.4,316.4 -3900.4,315.12 -3888.16,302.87 C2F.2@-3880.28,302.87 -3879.93,302.52 C3F.1@-3810.28,302.52 -3765.98,302.52 -3755.7,312.8 R3F.1@-3755.7,315